# Altium PCB subboard.PcbDoc (part 1 of 2)
Units mm, origin at the board's own origin, x right, y up, seen from the top; angles counter-clockwise.
Board outline 92 x 133 mm, 4 copper layers (L1, L2 (VCC), L3 (GND), L4), stack 1.536 mm thick; 166 components, 194 nets, 865 pads, 212 vias.
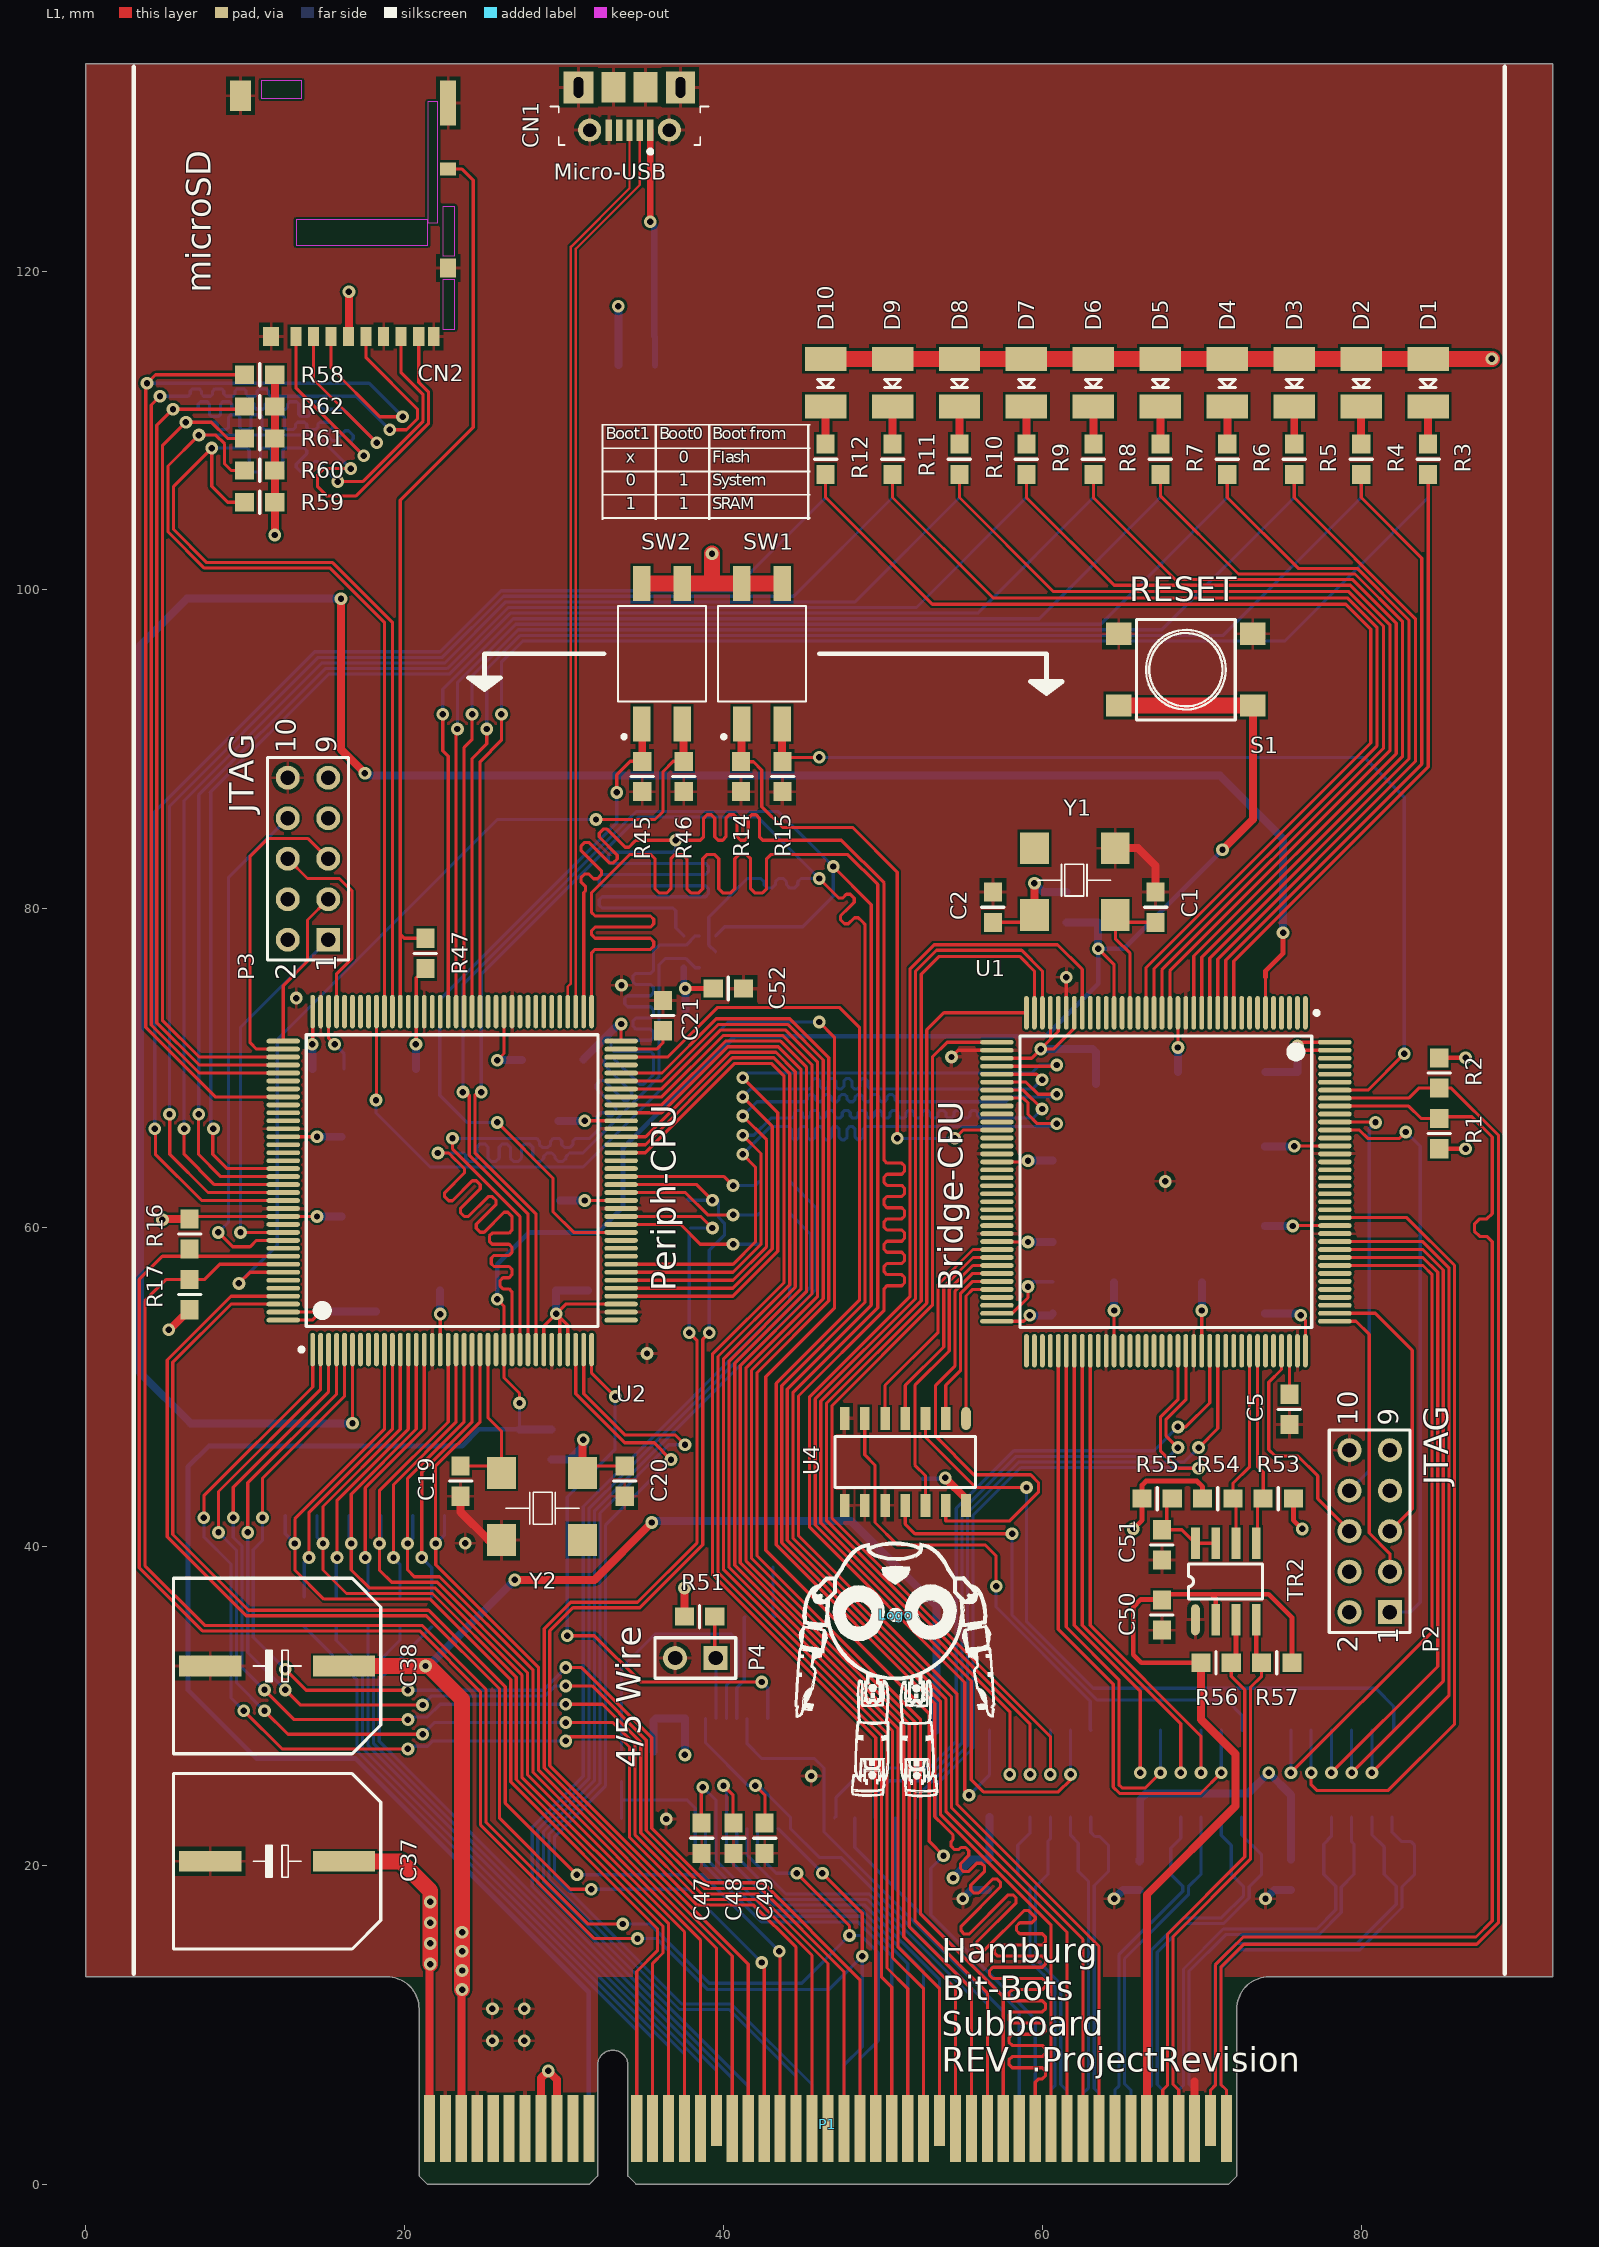
[diagram p0: L1 view]
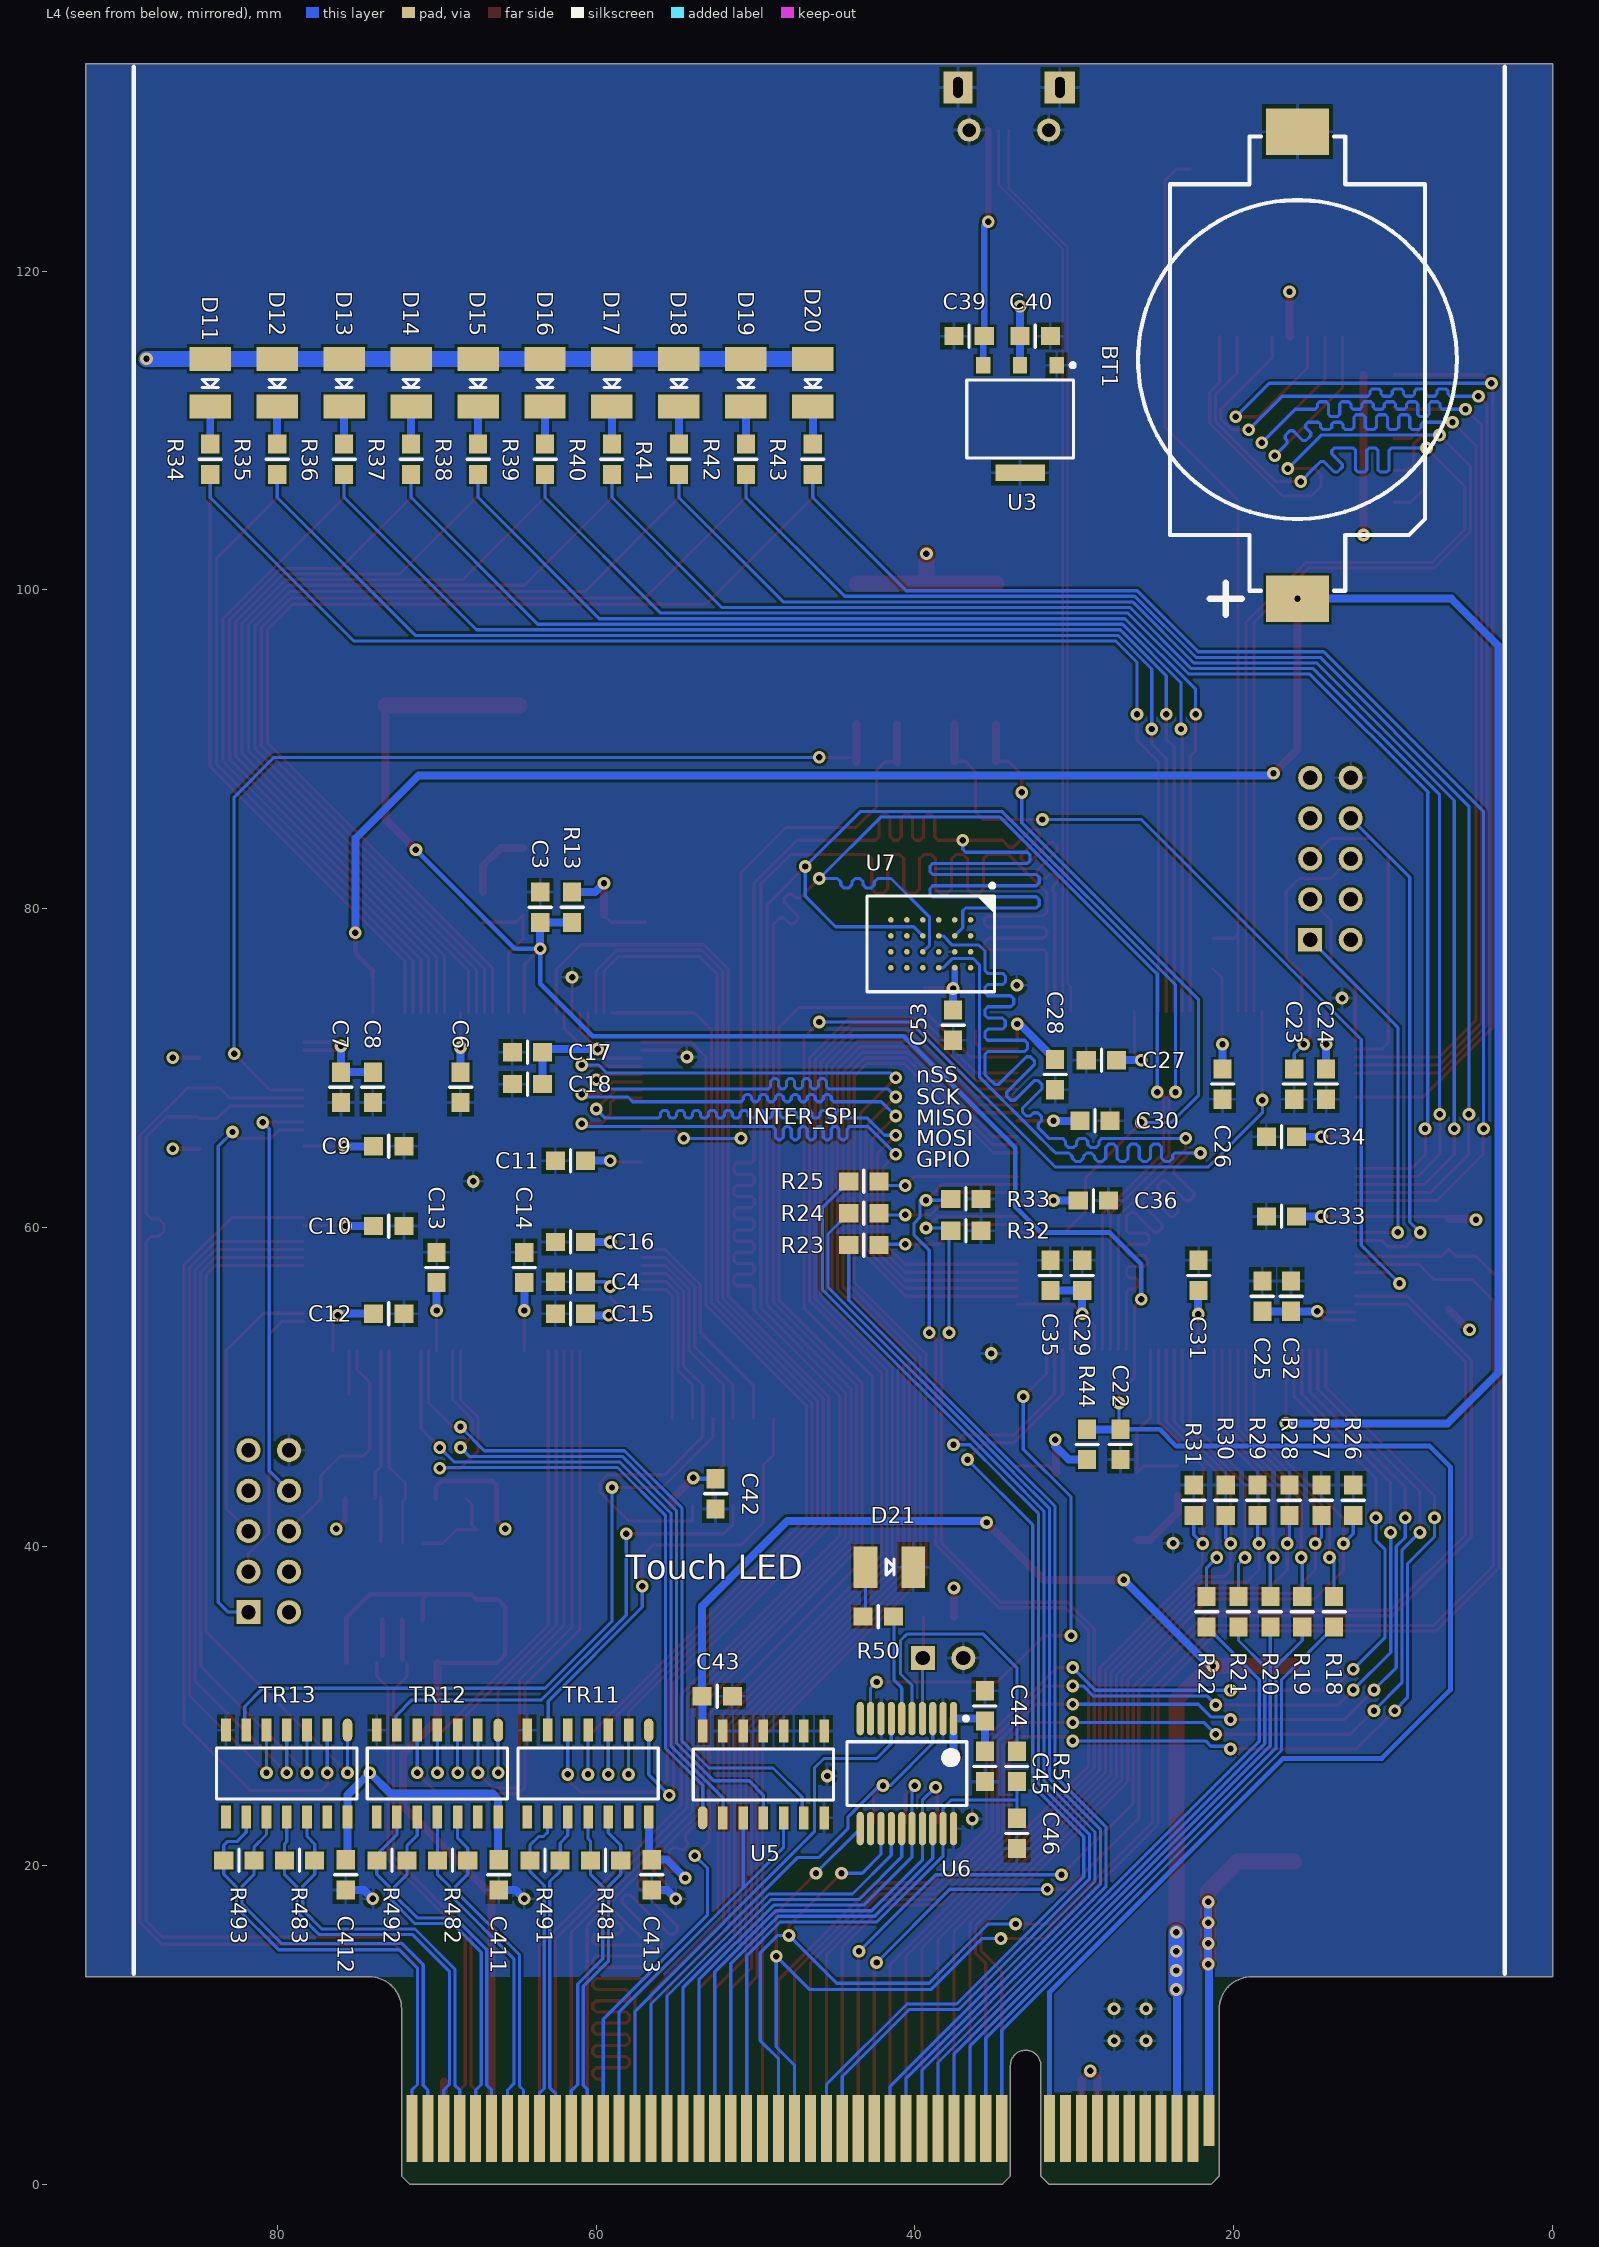
[diagram p1: L4 view, seen from below]
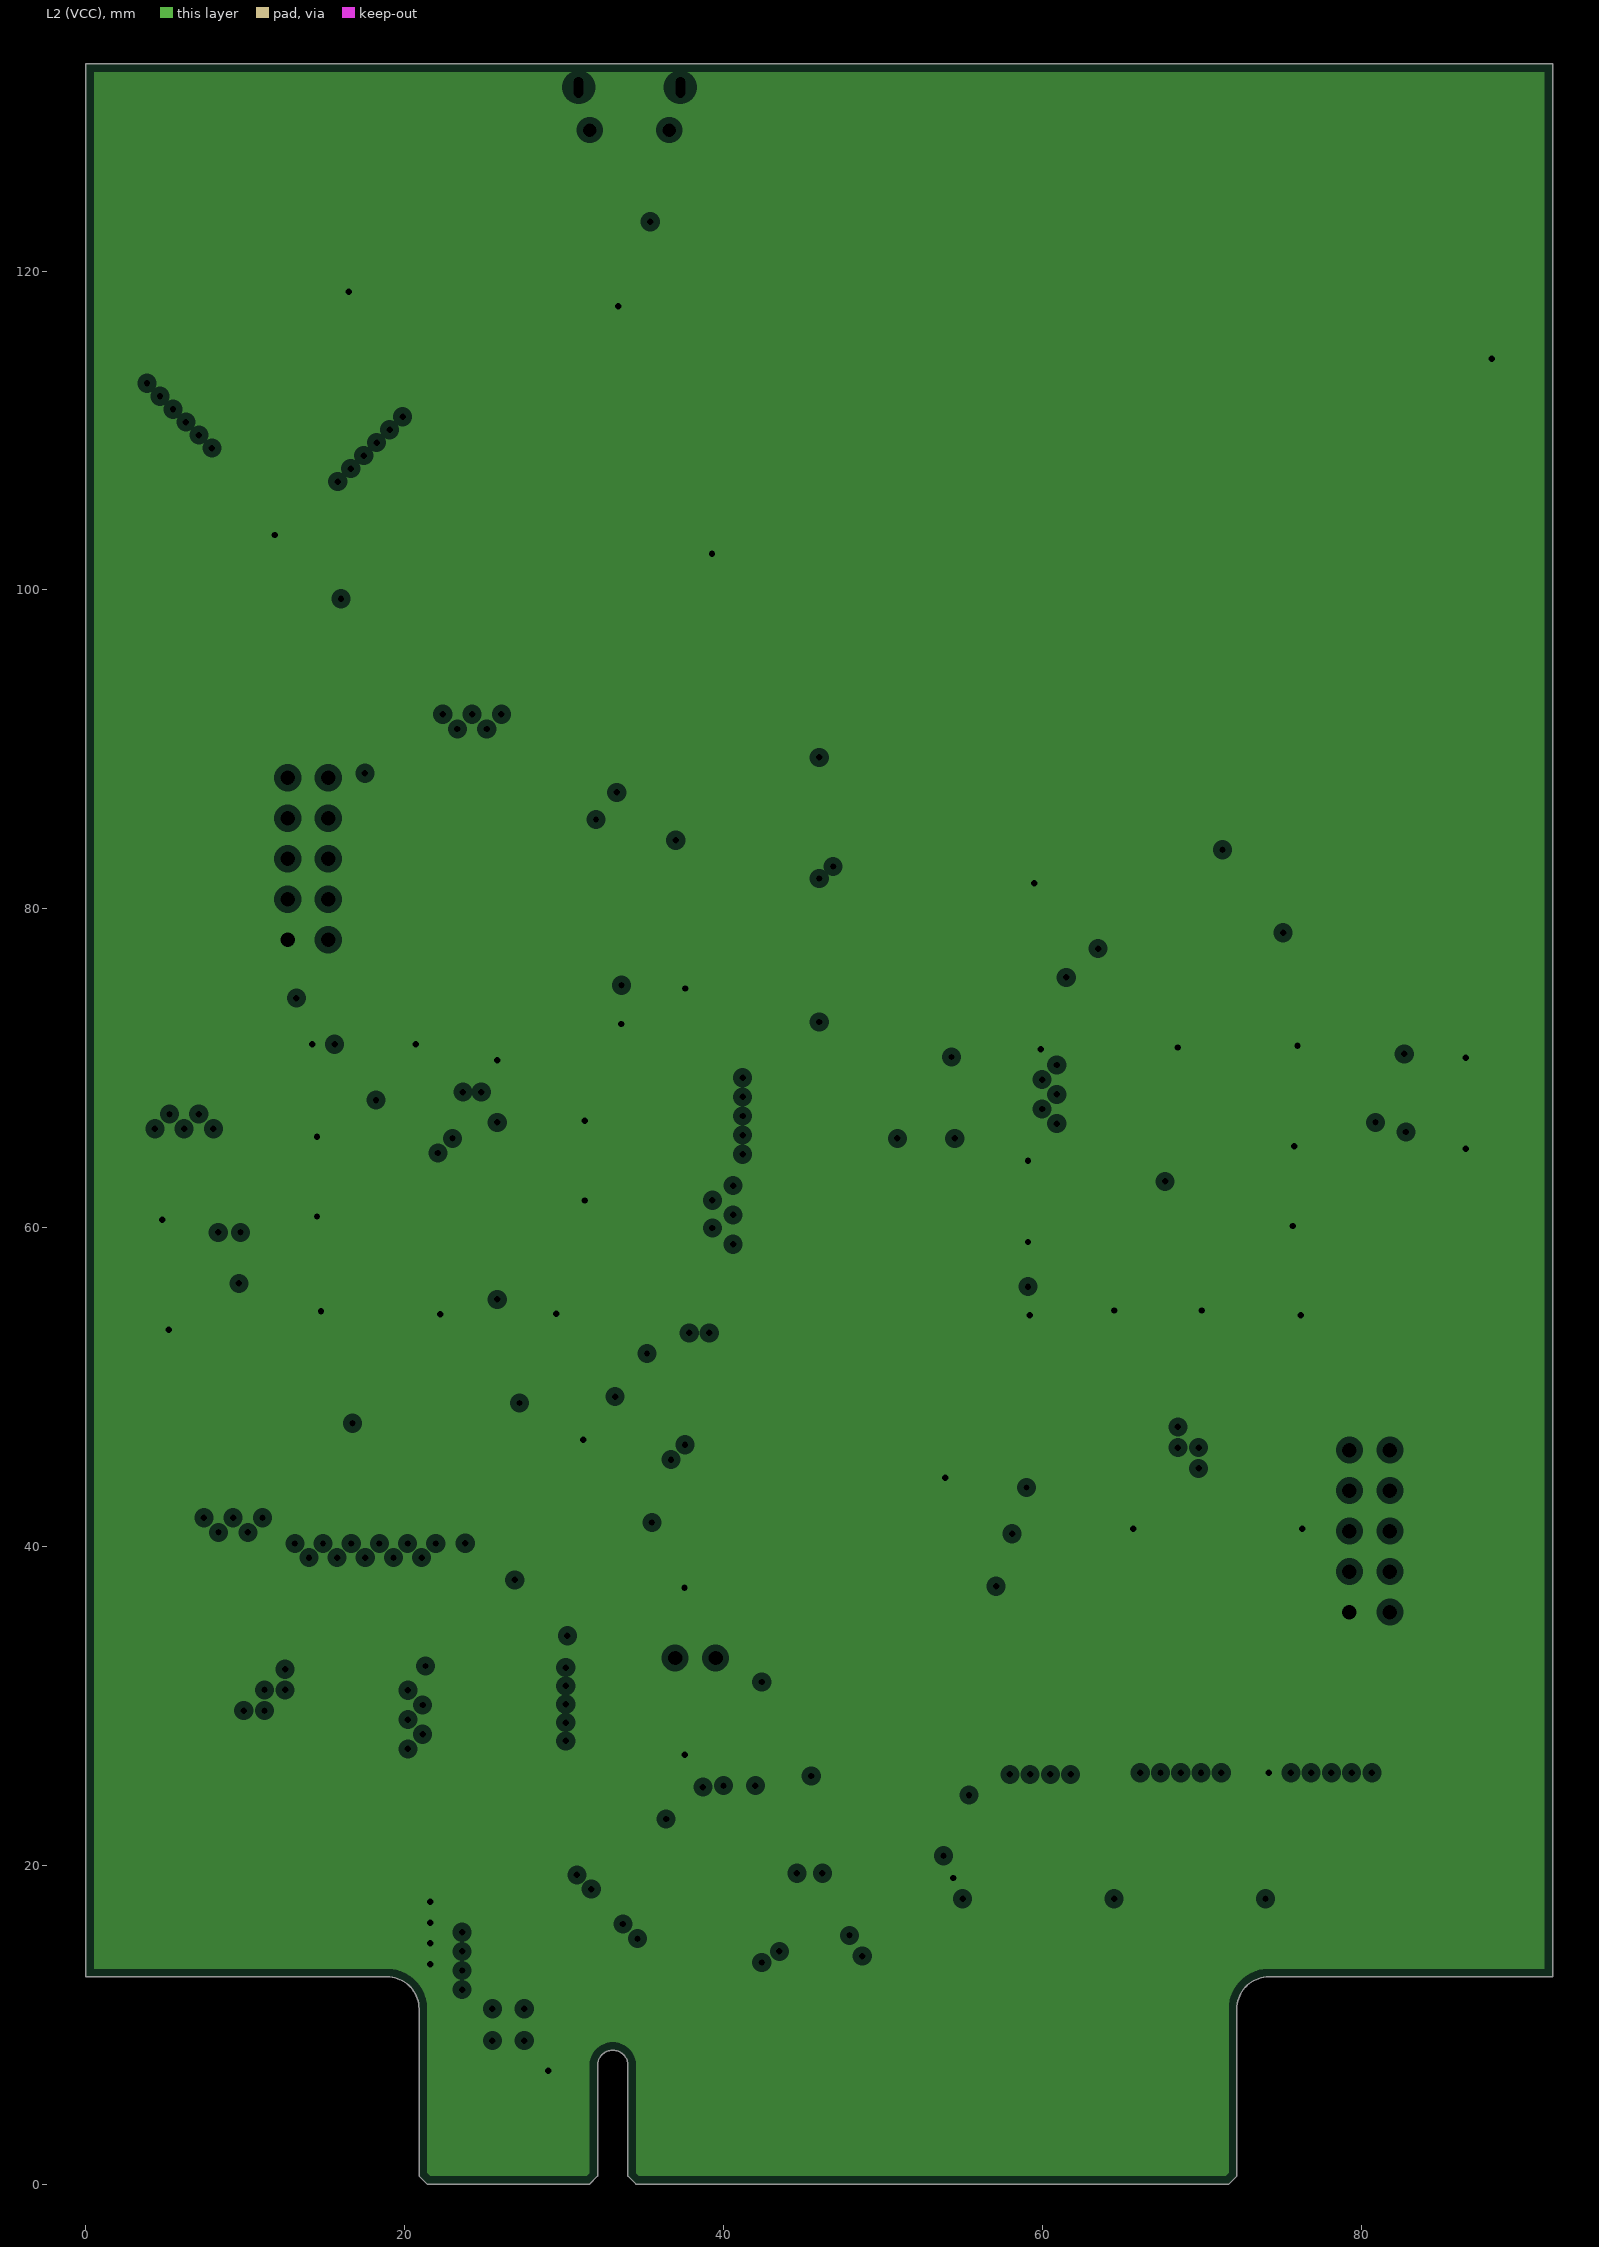
[diagram p2: L2 (VCC), clearances drawn from the general rule]